# Altium PCB ModuleBackup4.PcbDoc (part 3 of 3)
Units mil, origin at the board's own origin, x right, y up, seen from the top; angles counter-clockwise.
Board outline 59055.12 x 27559.06 mil, 2 copper layers (Top Layer, Bottom Layer); 175 components, 153 nets, 566 pads, 403 vias.
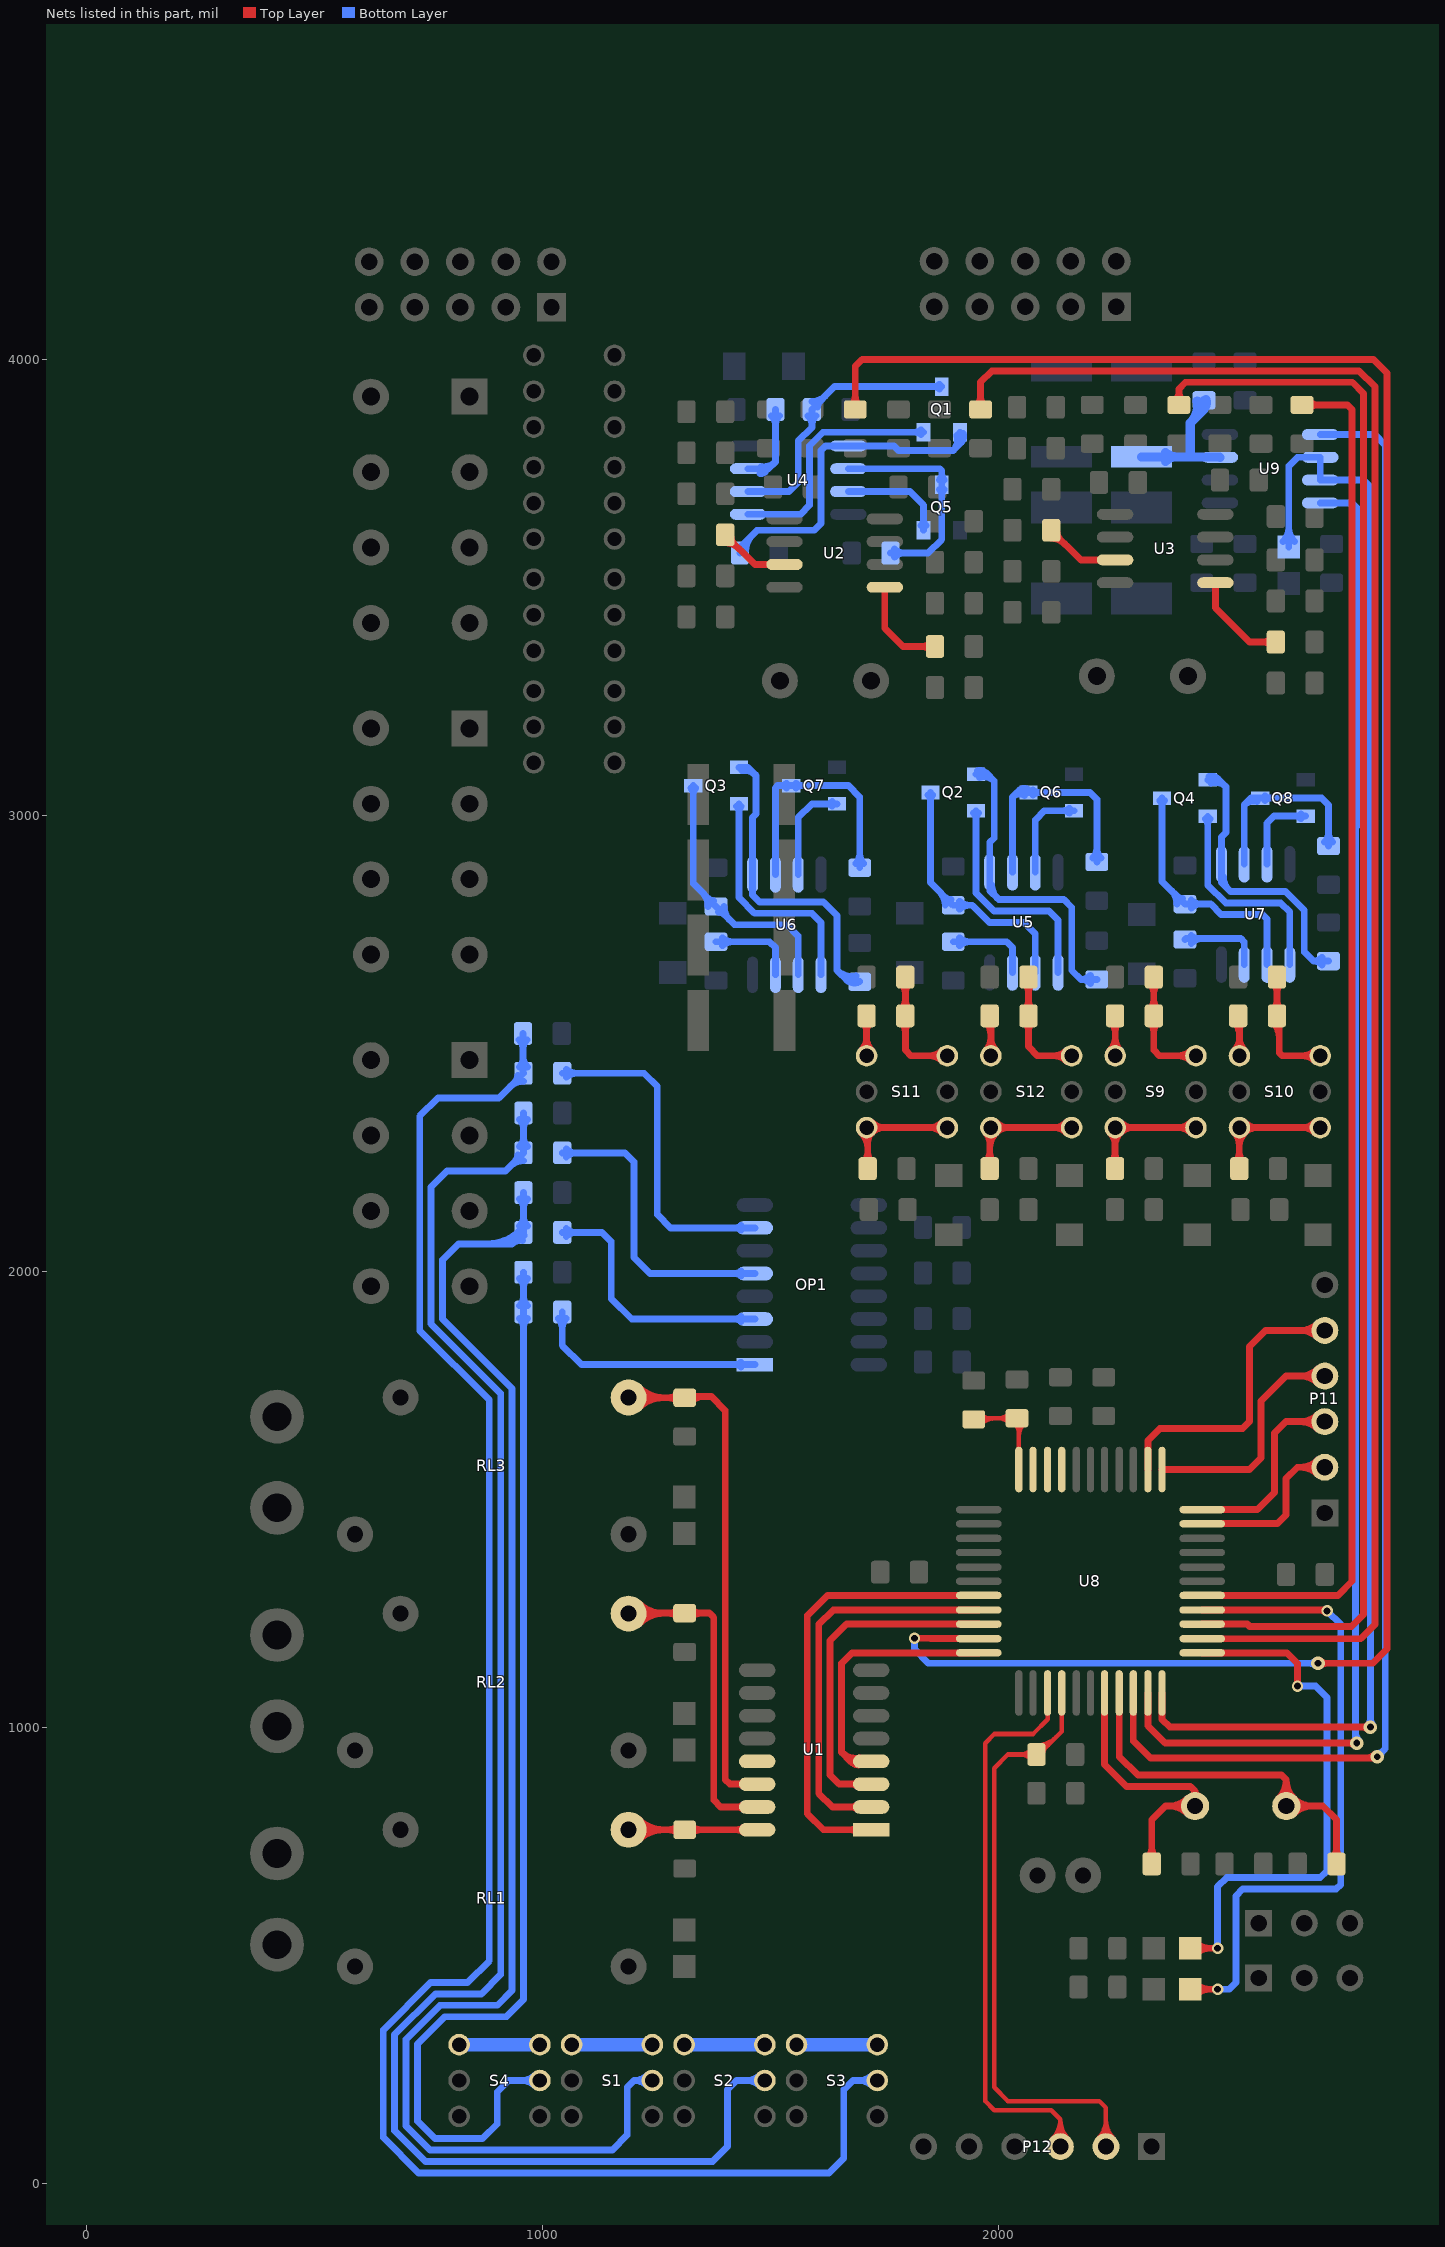
[diagram p3: the nets of this part, all layers, seen from the top]

## Via types
v1: diameter 30, hole 15, Top Layer to Bottom Layer, tented both sides, 305 vias
v2: diameter 25, hole 15, Top Layer to Bottom Layer, tented both sides, 90 vias
v3: diameter 35, hole 25, Top Layer to Bottom Layer, tented both sides, 7 vias
v4: diameter 35, hole 15, Top Layer to Bottom Layer, tented both sides, 1 vias

## Nets (pads, with @x,y where several pads share a name; then routed paths per layer and width w, separated by ;. In a path a pad name is that pad's centre, name@x,y a point inside that pad or via, vN(x,y) a via of type N, cw(c..) or ccw(c..) an arc to the next point about the centre after c; other vN are vias at no path point) (continued)
NetF5_2: F5.2 R71.2 U9.7 | length 440
  Bottom Layer w20: F5.2@2312.9,3786.07 2420,3786.07 ; F5.2@2365.84,3776.44 cw(c2389.09,3753.18) 2389.09,3786.07 cw(c2389.09,3818.96) F5.2@2365.84,3795.7 ; R71.2@2435.16,3908.24 cw(c2381.36,3898.64) 2420,3860 ; 2447.1,3887.1 ccw(c2427.35,3906.85) R71.2@2454.84,3911.76 ; R71.2@2450,3910 2450,3890 2420,3860 ; U9.7@2485,3785 2483.93,3786.07 2420,3786.07 ; 2420,3786.07 2420,3860
NetOP1_1: OP1.1 R31.2 | length 588.9
  Bottom Layer w15: R31.2@1033.66,1896.59 cw(c1012.32,1875.25) 1042.5,1875.25 cw(c1072.68,1875.25) R31.2@1051.34,1896.59 ; R31.2@1042.5,1910.43 1042.5,1837.5 1085,1795 OP1.1@1465,1795 ; OP1.1@1434.7,1789.7 ccw(c1421.89,1776.89) 1421.89,1795 ccw(c1421.89,1813.11) OP1.1@1434.7,1800.3
NetOP1_3: OP1.3 R28.2 | length 650.3
  Bottom Layer w15: R28.2@1042.5,2085 1130,2085 1150,2065 1150,1940 1195,1895 OP1.3@1465,1895 ; R28.2@1051.34,2076.16 cw(c1072.68,2054.82) 1072.68,2085 cw(c1072.68,2115.18) R28.2@1051.34,2093.84 ; OP1.3@1434.7,1889.7 ccw(c1421.89,1876.89) 1421.89,1895 ccw(c1421.89,1913.11) OP1.3@1434.7,1900.3
NetOP1_5: OP1.5 R29.2 | length 730.9
  Bottom Layer w15: R29.2@1042.5,2259.57 1180.43,2259.57 1200,2240 1200,2030 1235,1995 OP1.5@1465,1995 ; R29.2@1051.34,2250.73 cw(c1072.68,2229.4) 1072.68,2259.57 cw(c1072.68,2289.75) R29.2@1051.34,2268.41 ; OP1.5@1434.7,1989.7 ccw(c1421.89,1976.89) 1421.89,1995 ccw(c1421.89,2013.11) OP1.5@1434.7,2000.3
NetOP1_7: OP1.7 R30.2 | length 803.4
  Bottom Layer w15: R30.2@1042.5,2434.15 1221.78,2434.15 1250.93,2405 1250.93,2124.07 1280,2095 OP1.7@1465,2095 ; R30.2@1051.34,2425.31 cw(c1072.68,2403.97) 1072.68,2434.15 cw(c1072.68,2464.32) R30.2@1051.34,2442.98 ; OP1.7@1434.7,2089.7 ccw(c1421.89,2076.89) 1421.89,2095 ccw(c1421.89,2113.11) OP1.7@1434.7,2100.3
NetQ1_1: Q1.1 R40.1 U4.5 | length 839.6
  Bottom Layer w15: R40.1@1432.5,3575 1432.5,3587.5 1470,3625 1595,3625 1610,3640 1610,3800 1620,3810 U4.5@1670,3810 1770,3810 1780,3800 1900,3800 ; R40.1@1445,3580 cw(c1493.28,3580) 1459.14,3614.14 ; Q1.1@1907.86,3832.69 cw(c1877.23,3822.77) 1900,3800 ; Q1.1@1909.7,3829.7 cw(c1896.89,3816.89) 1915,3816.89 cw(c1933.11,3816.89) Q1.1@1920.3,3829.7 ; Q1.1@1915,3840 1915,3815 1900,3800 ; 1917.33,3817.33 ccw(c1903.41,3831.25) Q1.1@1922.14,3837.31
NetQ1_2: Q1.2 U4.1 | length 564.4
  Bottom Layer w15: U4.1@1450,3660 1565,3660 1585,3680 1585,3810.36 1614.64,3840 Q1.2@1835,3840 ; Q1.2@1829.7,3834.7 ccw(c1816.89,3821.89) 1816.89,3840 ccw(c1816.89,3858.11) Q1.2@1829.7,3845.3
NetQ1_3: Q1.3 R50.2 U4.2 | length 719.7
  Bottom Layer w15: U4.2@1450,3710 1540,3710 1560,3730 1560,3820.71 1590,3850.71 R50.2@1590,3890 1640,3940 Q1.3@1875,3940 ; R50.2@1581.16,3876.16 cw(c1559.82,3854.82) 1590,3854.82 cw(c1620.18,3854.82) R50.2@1598.84,3876.16 ; R50.2@1590,3907.5 ccw(c1590,3949.75) 1619.88,3919.88 ; R50.2@1602.5,3895 cw(c1620.6,3895) R50.2@1607.8,3907.8 ; Q1.3@1869.7,3934.7 ccw(c1856.89,3921.89) 1856.89,3940 ccw(c1856.89,3958.11) Q1.3@1869.7,3945.3
NetQ2_1: Q2.1 R41.1 U5.5 | length 850.4
  Bottom Layer w15: Q2.1@1950,3090 1975,3090 1990,3075 ; Q2.1@1952.69,3097.14 cw(c1958.75,3078.41) 1972.67,3092.33 ; Q2.1@1957.31,3082.87 cw(c1967.23,3052.23) 1990,3075 ; Q2.1@1960.3,3084.7 cw(c1973.11,3071.89) 1973.11,3090 cw(c1973.11,3108.11) Q2.1@1960.3,3095.3 ; U5.5@1984.5,2847 ccw(c2024.33,2847) 1996.17,2818.83 ; R41.1@2201.12,2631.2 ccw(c2180,2610.25) 2180,2640 ; R41.1@2201.12,2648.8 cw(c2180,2669.75) 2180,2640 ; R41.1@2215,2640 2180,2640 ; 1990,3075 1990,2950 1980,2940 1980,2835 2000,2815 2142.5,2815 2160,2797.5 2160,2660 2180,2640
NetQ2_2: Q2.2 U5.1 | length 528.5
  Bottom Layer w15: Q2.2@1944.7,3004.7 cw(c1931.89,2991.89) 1950,2991.89 cw(c1968.11,2991.89) Q2.2@1955.3,3004.7 ; Q2.2@1950,3010 1950,2829.64 1980,2799.64 1989.64,2790 2110,2790 2130,2770 U5.1@2130,2655
NetQ2_3: Q2.3 R48.2 U5.2 | length 682.3
  Bottom Layer w15: Q2.3@1844.7,3044.7 cw(c1831.89,3031.89) 1850,3031.89 cw(c1868.11,3031.89) Q2.3@1855.3,3044.7 ; Q2.3@1850,3050 1850,2852.5 R48.2@1900,2802.5 1941.79,2802.5 1979.29,2765 2055,2765 2080,2740 U5.2@2080,2655 ; 1870.13,2832.37 cw(c1840.25,2802.5) R48.2@1882.5,2802.5 ; R48.2@1882.2,2820.3 ccw(c1895,2833.11) R48.2@1895,2815 ; R48.2@1913.84,2793.66 cw(c1935.18,2772.32) 1935.18,2802.5 cw(c1935.18,2832.68) R48.2@1913.84,2811.34
NetQ3_1: Q3.1 R42.1 U6.5 | length 802.8
  Bottom Layer w15: Q3.1@1430,3105 1450,3105 1467.5,3087.5 ; Q3.1@1436.2,3097.6 cw(c1441.99,3062) 1467.5,3087.5 ; 1664.71,2640.29 ccw(c1684.8,2660.38) R42.1@1690.5,2632.55 ; R42.1@1687.49,2647.25 cw(c1678.09,2693.09) 1645,2660 ; R42.1@1695,2635 1670,2635 1645,2660 ; 1467.5,3087.5 1467.5,3002.75 1460,2995.25 1460,2825 1475,2810 1615,2810 1645,2780 1645,2660
NetQ3_2: Q3.2 U6.1 | length 551.4
  Bottom Layer w15: Q3.2@1424.7,3019.7 cw(c1411.89,3006.89) 1430,3006.89 cw(c1448.11,3006.89) Q3.2@1435.3,3019.7 ; Q3.2@1430,3025 1430,2819.64 1464.64,2785 1590,2785 1610,2765 U6.1@1610,2650
NetQ3_3: Q3.3 R49.2 U6.2 | length 700.9
  Bottom Layer w15: Q3.3@1324.7,3059.7 cw(c1311.89,3046.89) 1330,3046.89 cw(c1348.11,3046.89) Q3.3@1335.3,3059.7 ; Q3.3@1330,3065 1330,2850 R49.2@1380,2800 1420,2760 1535,2760 1560,2735 U6.2@1560,2650 ; 1350.13,2829.87 cw(c1320.25,2800) R49.2@1362.5,2800 ; R49.2@1362.2,2817.8 ccw(c1375,2830.61) R49.2@1375,2812.5 ; R49.2@1385,2787.5 cw(c1385,2769.39) R49.2@1397.8,2782.2 ; R49.2@1397.5,2800 ccw(c1439.75,2800) 1409.87,2770.13
NetQ4_1: Q4.1 R46.1 U7.5 | length 779.6
  Bottom Layer w15: Q4.1@2458.21,3077.5 2483.21,3077.5 2498.21,3062.5 ; Q4.1@2460.9,3084.63 cw(c2466.97,3065.91) 2480.88,3079.83 ; Q4.1@2465.52,3070.36 cw(c2475.44,3039.73) 2498.21,3062.5 ; Q4.1@2468.51,3072.2 cw(c2481.32,3059.39) 2481.32,3077.5 cw(c2481.32,3095.61) Q4.1@2468.51,3082.8 ; U7.5@2492.71,2864.5 ccw(c2532.55,2864.5) 2504.38,2836.33 ; R46.1@2708.95,2671.6 ccw(c2690,2654.42) 2690,2680 ; R46.1@2708.95,2688.4 cw(c2690,2705.58) 2690,2680 ; R46.1@2723.21,2680 2690,2680 ; 2498.21,3062.5 2498.21,2962.5 2488.21,2952.5 U7.5@2488.21,2892.5 2488.21,2852.5 2508.21,2832.5 2628.57,2832.5 2670,2791.07 2670,2700 2690,2680
NetQ4_2: Q4.2 U7.1 | length 498.5
  Bottom Layer w15: Q4.2@2452.91,2992.2 cw(c2440.1,2979.39) 2458.21,2979.39 cw(c2476.32,2979.39) Q4.2@2463.51,2992.2 ; Q4.2@2458.21,2997.5 2458.21,2847.14 2497.86,2807.5 2618.21,2807.5 2638.21,2787.5 U7.1@2638.21,2672.5
NetQ4_3: Q4.3 R51.2 U7.2 | length 669.9
  Bottom Layer w15: Q4.3@2352.91,3032.2 cw(c2340.11,3019.39) 2358.21,3019.39 cw(c2376.32,3019.39) Q4.3@2363.51,3032.2 ; Q4.3@2358.21,3037.5 2358.21,2855 R51.2@2408.21,2805 2465,2805 2487.5,2782.5 2578.21,2782.5 2588.21,2772.5 U7.2@2588.21,2672.5 ; 2378.34,2834.87 cw(c2348.46,2805) R51.2@2390.71,2805 ; R51.2@2390.41,2822.8 ccw(c2403.21,2835.61) R51.2@2403.21,2817.5 ; R51.2@2422.05,2796.16 cw(c2443.39,2774.82) 2443.39,2805 cw(c2443.39,2835.18) R51.2@2422.05,2813.84
NetQ5_2: Q5.2 U4.7 | length 260.9
  Bottom Layer w15: U4.7@1670,3710 1805,3710 1835,3680 Q5.2@1835,3625 ; Q5.2@1829.7,3635.3 ccw(c1816.89,3648.11) 1835,3648.11 ccw(c1853.11,3648.11) Q5.2@1840.3,3635.3
NetQ5_3: Q5.3 R43.1 U4.6 | length 586.1
  Bottom Layer w15: U4.6@1670,3760 1870,3760 1875,3755 Q5.3@1875,3725 1875,3610 1875,3605.25 1844.75,3575 R43.1@1762.5,3575 ; R43.1@1771.34,3566.16 cw(c1792.68,3544.82) 1792.68,3575 cw(c1792.68,3605.18) R43.1@1771.34,3583.84 ; Q5.3@1869.7,3714.7 cw(c1856.89,3701.89) 1875,3701.89 cw(c1893.11,3701.89) Q5.3@1880.3,3714.7 ; Q5.3@1869.7,3735.3 ccw(c1856.89,3748.11) 1875,3748.11 ccw(c1893.11,3748.11) Q5.3@1880.3,3735.3
NetQ6_2: Q6.2 U5.7 | length 236.7
  Bottom Layer w15: U5.7@2080,2875 2080,2990 2100,3010 Q6.2@2165,3010 ; Q6.2@2154.7,3004.7 ccw(c2141.89,2991.89) 2141.89,3010 ccw(c2141.89,3028.11) Q6.2@2154.7,3015.3
NetQ6_3: Q6.3 R44.1 U5.6 | length 652.2
  Bottom Layer w15: U5.6@2030,2875 2030,3040 ; 2043.86,3053.86 cw(c2055.52,3042.2) Q6.3@2063.73,3056.51 ; Q6.3@2054.7,3044.7 ccw(c2041.89,3031.89) 2041.89,3050 ccw(c2041.89,3068.11) Q6.3@2054.7,3055.3 ; Q6.3@2056.27,3043.49 ccw(c2045.42,3024.58) 2030,3040 ; Q6.3@2075.3,3044.7 cw(c2088.11,3031.89) 2088.11,3050 cw(c2088.11,3068.11) Q6.3@2075.3,3055.3 ; R44.1@2206.16,2906.34 ccw(c2184.82,2927.68) 2215,2927.68 ccw(c2245.18,2927.68) R44.1@2223.84,2906.34 ; R44.1@2215,2897.5 2215,3035 2200,3050 Q6.3@2065,3050 2040,3050 2030,3040
NetQ7_2: Q7.2 U6.7 | length 250.9
  Bottom Layer w15: U6.7@1560,2870 1560,2995 1590,3025 Q7.2@1645,3025 ; Q7.2@1634.7,3019.7 ccw(c1621.89,3006.89) 1621.89,3025 ccw(c1621.89,3043.11) Q7.2@1634.7,3030.3
NetQ7_3: Q7.3 R45.1 U6.6 | length 646.7
  Bottom Layer w15: U6.6@1510,2870 1510,3060 1515,3065 Q7.3@1545,3065 1670,3065 1695,3040 R45.1@1695,2885 ; Q7.3@1534.7,3059.7 ccw(c1521.89,3046.89) 1521.89,3065 ccw(c1521.89,3083.11) Q7.3@1534.7,3070.3 ; Q7.3@1555.3,3059.7 cw(c1568.11,3046.89) 1568.11,3065 cw(c1568.11,3083.11) Q7.3@1555.3,3070.3 ; R45.1@1686.16,2893.84 ccw(c1664.82,2915.18) 1695,2915.18 ccw(c1725.18,2915.18) R45.1@1703.84,2893.84
NetQ8_2: Q8.2 U7.7 | length 209.2
  Bottom Layer w15: U7.7@2588.21,2892.5 2588.21,2982.5 2603.92,2998.21 Q8.2@2672.5,2998.21 ; 2648.39,2998.21 cw(c2648.39,2977.68) Q8.2@2662.91,2992.2 ; 2651.82,2998.21 ccw(c2651.82,3013.89) Q8.2@2662.91,3002.8
NetQ8_3: Q8.3 R47.1 U7.6 | length 631.5
  Bottom Layer w15: U7.6@2538.21,2892.5 2538.21,3022.5 ; Q8.3@2566.36,3030.23 ccw(c2559.08,3001.63) 2538.21,3022.5 ; Q8.3@2583.51,3032.2 cw(c2596.32,3019.39) 2596.32,3037.5 cw(c2596.32,3055.61) Q8.3@2583.51,3042.8 ; R47.1@2714.37,2941.34 ccw(c2693.03,2962.68) 2723.21,2962.68 ccw(c2753.39,2962.68) R47.1@2732.05,2941.34 ; 2538.21,3022.5 2553.21,3037.5 Q8.3@2573.21,3037.5 2708.21,3037.5 2723.21,3022.5 2723.21,2955 ; R47.1@2716.61,2943.11 ccw(c2709.21,2955) 2723.21,2955 ; R47.1@2716.61,2943.11 ccw(c2709.21,2955) 2723.21,2955 ; R47.1@2716.61,2943.11 ccw(c2709.21,2955) 2723.21,2955 ; 2723.21,2955 ccw(c2737.21,2955) R47.1@2729.81,2943.11 ; 2723.21,2955 ccw(c2737.21,2955) R47.1@2729.81,2943.11 ; 2723.21,2955 ccw(c2737.21,2955) R47.1@2729.81,2943.11 ; 2723.21,2955 R47.1@2723.21,2932.5 2723.21,2955
NetR20_2: R20.2 U2.1 | length 264
  Top Layer w15: U2.1@1750,3500 1750,3410 1790,3370 R20.2@1860,3370 ; R20.2@1851.16,3361.16 ccw(c1829.82,3339.82) 1829.82,3370 ccw(c1829.82,3400.18) R20.2@1851.16,3378.84
NetR21_2: R21.2 U2.7 | length 204.3
  Top Layer w15: R21.2@1400,3597.5 cw(c1400,3555.25) 1429.87,3585.13 ; R21.2@1400,3615 1465,3550 U2.7@1530,3550 ; R21.2@1412.5,3610 ccw(c1430.61,3610) R21.2@1417.8,3597.2
NetR22_2: R22.2 U3.1 | length 266
  Top Layer w15: U3.1@2475,3510 2475,3455 2550,3380 R22.2@2607.5,3380 ; R22.2@2598.66,3371.16 ccw(c2577.32,3349.82) 2577.32,3380 ccw(c2577.32,3410.18) R22.2@2598.66,3388.84
NetR23_2: R23.2 U3.7 | length 214.3
  Top Layer w15: R23.2@2115,3607.5 cw(c2115,3565.25) 2144.87,3595.13 ; R23.2@2115,3625 2180,3560 U3.7@2255,3560 ; R23.2@2127.5,3620 ccw(c2145.61,3620) R23.2@2132.8,3607.2
NetR24_1: R24.1 R28.1 S1.4 | length 3430.7
  Bottom Layer w15: 879.04,2060 ccw(c879.04,2158.47) R28.1@948.66,2088.84 ; 915.25,2060 ccw(c915.25,2122.25) R28.1@959.27,2078.23 ; R28.1@939.7,2067.2 ccw(c926.89,2080) R28.1@945,2080 ; R28.1@948.66,2098.84 ccw(c927.32,2120.18) 957.5,2120.18 ccw(c987.68,2120.18) R28.1@966.34,2098.84 ; R24.1@948.66,2158.45 cw(c927.32,2137.11) 957.5,2137.11 cw(c987.68,2137.11) R24.1@966.34,2158.45 ; R28.1@955.66,2067.64 ccw(c951.66,2040.85) 932.5,2060 ; R24.1@957.5,2172.29 R28.1@957.5,2085 932.5,2060 ; S1.4@1228.85,213.6 ccw(c1201.33,186.08) 1201.33,225 ccw(c1201.33,263.92) S1.4@1228.85,236.4 ; S1.4@1240.25,225 1200,225 1185,210 1185,105 1152.5,72.5 752.86,72.5 700,125.36 700,315.36 774.64,390 900,390 932.5,422.5 932.5,1742.5 780,1895 780,2025 815,2060 932.5,2060
NetR25_1: R25.1 R29.1 S2.4 | length 3799.1
  Bottom Layer w15: 927.63,2229.7 cw(c957.5,2199.82) R29.1@957.5,2242.07 ; R29.1@939.7,2241.77 ccw(c926.89,2254.57) R29.1@945,2254.57 ; R29.1@948.66,2273.41 ccw(c927.32,2294.75) 957.5,2294.75 ccw(c987.68,2294.75) R29.1@966.34,2273.41 ; R25.1@948.66,2333.02 cw(c927.32,2311.68) 957.5,2311.68 cw(c987.68,2311.68) R25.1@966.34,2333.02 ; R25.1@957.5,2346.86 R29.1@957.5,2259.57 917.93,2220 790,2220 755,2185 755,1884.64 907.5,1732.14 907.5,457.5 865,415 764.29,415 675,325.71 675,115 742.5,47.5 1372.5,47.5 1405,80 1405,205 1425,225 S2.4@1486.92,225 ; S2.4@1475.52,213.6 ccw(c1447.99,186.08) 1447.99,225 ccw(c1447.99,263.92) S2.4@1475.52,236.4
NetR26_1: R26.1 R30.1 S3.4 | length 4291.9
  Bottom Layer w15: 927.63,2404.27 cw(c957.5,2374.4) R30.1@957.5,2416.65 ; R30.1@939.7,2416.34 ccw(c926.89,2429.15) R30.1@945,2429.15 ; R26.1@947.66,2507.59 cw(c926.32,2486.25) 956.5,2486.25 cw(c986.68,2486.25) R26.1@965.34,2507.59 ; R30.1@948.66,2447.99 ccw(c929.74,2466.91) 956.5,2466.91 ; 956.5,2471.74 ccw(c990.09,2471.74) R30.1@966.34,2447.99 ; R26.1@956.5,2521.43 956.5,2435.15 R30.1@957.5,2434.15 903.35,2380 770,2380 730,2340 730,1869.64 882.5,1717.14 882.5,487.5 835,440 753.93,440 650,336.07 650,100 727.5,22.5 1627.5,22.5 1660,55 1660,205 1680,225 S3.4@1733.58,225 ; S3.4@1722.18,213.6 ccw(c1694.66,186.08) 1694.66,225 ccw(c1694.66,263.92) S3.4@1722.18,236.4
NetR27_1: R27.1 R31.1 S4.4 | length 2619
  Bottom Layer w15: R31.1@948.66,1896.59 cw(c927.32,1875.25) 957.5,1875.25 cw(c987.68,1875.25) R31.1@966.34,1896.59 ; R31.1@948.66,1924.27 ccw(c927.32,1945.61) 957.5,1945.61 ccw(c987.68,1945.61) R31.1@966.34,1924.27 ; R27.1@948.66,1983.88 cw(c927.32,1962.54) 957.5,1962.54 cw(c987.68,1962.54) R27.1@966.34,1983.88 ; R27.1@957.5,1997.72 R31.1@957.5,1910.43 957.5,402.5 920,365 785,365 725,305 725,135.71 763.21,97.5 867.5,97.5 900,130 900,200 925,225 S4.4@993.58,225 ; S4.4@982.18,213.6 ccw(c954.66,186.08) 954.66,225 ccw(c954.66,263.92) S4.4@982.18,236.4
NetR36_1: R36.1 U4.3 | length 276.2
  Bottom Layer w15: U4.3@1450,3760 1495,3760 1510,3775 ; U4.3@1476.56,3749.6 ccw(c1478.53,3763.8) 1488.66,3753.66 ; U4.3@1478.62,3764.46 ccw(c1483.71,3801.29) 1510,3775 ; R36.1@1501.16,3876.16 cw(c1479.82,3854.82) 1510,3854.82 cw(c1540.18,3854.82) R36.1@1518.84,3876.16 ; R36.1@1510,3890 1510,3775
NetR37_1: R37.1 U5.3 | length 237.6
  Bottom Layer w15: R37.1@1900,2722.5 2017.5,2722.5 2030,2710 U5.3@2030,2655 ; R37.1@1913.84,2713.66 cw(c1935.18,2692.32) 1935.18,2722.5 cw(c1935.18,2752.68) R37.1@1913.84,2731.34
NetR38_1: R38.1 U6.3 | length 242.6
  Bottom Layer w15: R38.1@1380,2722.5 1497.5,2722.5 1510,2710 U6.3@1510,2650 ; R38.1@1393.84,2713.66 cw(c1415.18,2692.32) 1415.18,2722.5 cw(c1415.18,2752.68) R38.1@1393.84,2731.34
NetR39_1: R39.1 U7.3 | length 231.5
  Bottom Layer w15: R39.1@2408.21,2727.5 2410.71,2730 2530.71,2730 2538.21,2722.5 U7.3@2538.21,2672.5 ; R39.1@2422.05,2718.66 cw(c2449.42,2691.29) 2449.42,2730 ; R39.1@2422.05,2736.34 ccw(c2437.35,2751.64) 2437.35,2730
NetR52_1: R52.1 S9.2 | length 196.2
  Top Layer w15: S9.2@2243.82,2483.88 ccw(c2216.3,2511.4) 2255.22,2511.4 ccw(c2294.15,2511.4) S9.2@2266.62,2483.88 ; R52.1@2246.16,2546.16 cw(c2224.28,2524.28) 2255.22,2524.28 ; R52.1@2255,2560 2255.22,2559.78 S9.2@2255.22,2472.48 ; 2255.22,2525.36 cw(c2284.64,2525.36) R52.1@2263.84,2546.16
NetR52_2: R52.2 R54.1 S9.5 | length 460.9
  Top Layer w15: R52.2@2331.16,2546.16 cw(c2309.82,2524.82) 2340,2524.82 cw(c2370.18,2524.82) R52.2@2348.84,2546.16 ; R52.2@2331.16,2573.84 ccw(c2309.82,2595.18) 2340,2595.18 ccw(c2370.18,2595.18) R52.2@2348.84,2573.84 ; R54.1@2331.16,2631.16 cw(c2309.82,2609.82) 2340,2609.82 cw(c2370.18,2609.82) R54.1@2348.84,2631.16 ; R54.1@2340,2645 R52.2@2340,2560 2340,2485 2352.52,2472.48 S9.5@2432.39,2472.48 ; S9.5@2420.99,2461.08 ccw(c2393.47,2433.56) 2393.47,2472.48 ccw(c2393.47,2511.4) S9.5@2420.99,2483.88
NetR53_1: R53.1 S10.2 | length 197.2
  Top Layer w15: R53.1@2516.16,2546.16 cw(c2487.98,2517.98) 2527.84,2517.98 ; S10.2@2516.44,2483.88 ccw(c2488.91,2511.4) 2527.84,2511.4 ccw(c2566.76,2511.4) S10.2@2539.24,2483.88 ; R53.1@2525,2560 2527.84,2557.16 S10.2@2527.84,2472.48 ; 2527.84,2531.67 cw(c2548.33,2531.67) R53.1@2533.84,2546.16
NetR53_2: R53.2 R56.1 S10.5 | length 453.2
  Top Layer w15: R53.2@2601.16,2546.16 cw(c2567.75,2512.75) 2615,2512.75 ; R53.2@2601.16,2573.84 ccw(c2579.82,2595.18) 2610,2595.18 ccw(c2640.18,2595.18) R53.2@2618.84,2573.84 ; R56.1@2601.16,2631.16 cw(c2579.82,2609.82) 2610,2609.82 cw(c2640.18,2609.82) R56.1@2618.84,2631.16 ; R56.1@2610,2645 R53.2@2610,2560 2615,2555 2615,2480 2622.52,2472.48 S10.5@2705,2472.48 ; S10.5@2693.6,2461.08 ccw(c2666.08,2433.56) 2666.08,2472.48 ccw(c2666.08,2511.4) S10.5@2693.6,2483.88
NetR55_1: R55.1 S9.3 S9.6 | length 498.1
  Top Layer w15: S9.3@2243.82,2303.6 cw(c2216.84,2276.62) 2255,2276.62 ; R55.1@2246.16,2238.84 ccw(c2224.82,2260.18) 2255,2260.18 ccw(c2285.18,2260.18) R55.1@2263.84,2238.84 ; R55.1@2255,2225 2255,2314.78 S9.3@2255.22,2315 S9.6@2432.39,2315 ; 2255,2275.54 cw(c2294.68,2275.54) 2266.62,2303.6 cw(c2294.15,2276.08) 2294.15,2315 cw(c2294.15,2353.92) S9.3@2266.62,2326.4 ; S9.6@2420.99,2303.6 ccw(c2393.47,2276.08) 2393.47,2315 ccw(c2393.47,2353.92) S9.6@2420.99,2326.4
NetR57_1: R57.1 S10.3 S10.6 | length 498.1
  Top Layer w15: S10.3@2516.44,2303.6 cw(c2489.72,2276.89) 2527.5,2276.89 ; R57.1@2518.66,2238.84 ccw(c2497.32,2260.18) 2527.5,2260.18 ccw(c2557.68,2260.18) R57.1@2536.34,2238.84 ; R57.1@2527.5,2225 2527.5,2314.66 S10.3@2527.84,2315 S10.6@2705,2315 ; 2527.5,2275.27 cw(c2567.57,2275.27) 2539.24,2303.6 cw(c2566.76,2276.08) 2566.76,2315 cw(c2566.76,2353.92) S10.3@2539.24,2326.4 ; S10.6@2693.6,2303.6 ccw(c2666.08,2276.08) 2666.08,2315 ccw(c2666.08,2353.92) S10.6@2693.6,2326.4
NetR60_1: R60.1 S11.2 | length 196.1
  Top Layer w15: S11.2@1698.6,2483.88 ccw(c1671.08,2511.4) 1710,2511.4 ccw(c1748.92,2511.4) S11.2@1721.4,2483.88 ; R60.1@1701.16,2546.16 cw(c1679.82,2524.82) 1710,2524.82 cw(c1740.18,2524.82) R60.1@1718.84,2546.16 ; S11.2@1710,2472.48 R60.1@1710,2560
NetR60_2: R60.2 R62.1 S11.5 | length 460.7
  Top Layer w15: R60.2@1786.16,2546.16 cw(c1764.82,2524.82) 1795,2524.82 cw(c1825.18,2524.82) R60.2@1803.84,2546.16 ; R60.2@1786.16,2573.84 ccw(c1764.82,2595.18) 1795,2595.18 ccw(c1825.18,2595.18) R60.2@1803.84,2573.84 ; R62.1@1786.16,2631.16 cw(c1764.82,2609.82) 1795,2609.82 cw(c1825.18,2609.82) R62.1@1803.84,2631.16 ; R62.1@1795,2645 R60.2@1795,2560 1795,2485 1807.52,2472.48 S11.5@1887.16,2472.48 ; S11.5@1875.76,2461.08 ccw(c1848.24,2433.56) 1848.24,2472.48 ccw(c1848.24,2511.4) S11.5@1875.76,2483.88
NetR61_1: R61.1 S12.2 | length 197.1
  Top Layer w15: R61.1@1971.16,2546.16 cw(c1943.52,2518.52) 1982.61,2518.52 ; S12.2@1971.21,2483.88 ccw(c1943.69,2511.4) 1982.61,2511.4 ccw(c2021.53,2511.4) S12.2@1994.01,2483.88 ; R61.1@1980,2560 1982.61,2557.39 S12.2@1982.61,2472.48 ; 1982.61,2531.13 cw(c2003.87,2531.13) R61.1@1988.84,2546.16
NetR61_2: R61.2 R64.1 S12.5 | length 458.9
  Top Layer w15: R61.2@2056.16,2546.16 cw(c2034.82,2524.82) 2065,2524.82 cw(c2095.18,2524.82) R61.2@2073.84,2546.16 ; R61.2@2056.16,2573.84 ccw(c2034.82,2595.18) 2065,2595.18 ccw(c2095.18,2595.18) R61.2@2073.84,2573.84 ; R64.1@2056.16,2631.16 cw(c2034.82,2609.82) 2065,2609.82 cw(c2095.18,2609.82) R64.1@2073.84,2631.16 ; R64.1@2065,2645 R61.2@2065,2560 2065,2492.48 2085,2472.48 S12.5@2159.78,2472.48 ; S12.5@2148.38,2461.08 ccw(c2120.85,2433.56) 2120.85,2472.48 ccw(c2120.85,2511.4) S12.5@2148.38,2483.88
NetR63_1: R63.1 S11.3 S11.6 | length 499
  Top Layer w15: S11.3@1698.6,2303.6 cw(c1665.04,2270.04) 1712.5,2270.04 ; R63.1@1703.66,2238.84 ccw(c1682.32,2260.18) 1712.5,2260.18 ccw(c1742.68,2260.18) R63.1@1721.34,2238.84 ; R63.1@1712.5,2225 1712.5,2312.5 S11.3@1710,2315 S11.6@1887.16,2315 ; 1712.5,2282.11 cw(c1742.89,2282.11) 1721.4,2303.6 cw(c1748.92,2276.08) 1748.92,2315 cw(c1748.92,2353.92) S11.3@1721.4,2326.4 ; S11.6@1875.76,2303.6 ccw(c1848.24,2276.08) 1848.24,2315 ccw(c1848.24,2353.92) S11.6@1875.76,2326.4
NetR65_1: R65.1 S12.3 S12.6 | length 499.1
  Top Layer w15: R65.1@1971.16,2238.84 ccw(c1949.82,2260.18) 1980,2260.18 ccw(c2010.18,2260.18) R65.1@1988.84,2238.84 ; S12.3@1971.21,2303.6 cw(c1950,2282.38) 1980,2282.38 ; R65.1@1980,2225 1980,2312.39 S12.3@1982.61,2315 S12.6@2159.78,2315 ; 1980,2269.77 cw(c2027.84,2269.77) 1994.01,2303.6 cw(c2021.53,2276.08) 2021.53,2315 cw(c2021.53,2353.92) S12.3@1994.01,2326.4 ; S12.6@2148.38,2303.6 ccw(c2120.85,2276.08) 2120.85,2315 ccw(c2120.85,2353.92) S12.6@2148.38,2326.4
NetS1_2: S1.2 S1.5 | length 177.2
  Bottom Layer w30: S1.2@1063.08,303.74 S1.5@1240.25,303.74
NetS2_2: S2.2 S2.5 | length 177.2
  Bottom Layer w30: S2.2@1309.75,303.74 S2.5@1486.92,303.74
NetS3_2: S3.2 S3.5 | length 177.2
  Bottom Layer w30: S3.2@1556.42,303.74 S3.5@1733.58,303.74
NetS4_2: S4.2 S4.5 | length 177.2
  Bottom Layer w30: S4.2@816.42,303.74 S4.5@993.58,303.74
NOUSE1: D7.2 U8.12 | length 1239.7
  Top Layer w15: D7.2@2420,515 v2(2480,515) ; D7.2@2432.37,502.63 cw(c2462.25,472.75) 2462.25,515 cw(c2462.25,557.25) D7.2@2432.37,527.37 ; U8.12@2446,1163 2632,1163 2655,1140 v2(2655,1090)
  Bottom Layer w15: v2(2480,515) 2480,650 2500,670 2705,670 2720,685 2720,1065 2695,1090 v2(2655,1090)
NOUSE2: D8.2 U8.15 | length 1508.9
  Top Layer w15: D8.2@2420,425 v2(2480,425) ; D8.2@2432.37,412.63 cw(c2462.25,382.75) 2462.25,425 cw(c2462.25,467.25) D8.2@2432.37,437.37 ; U8.15@2446,1257 2718,1257 cw(c2718,1255) v2(2720,1255) ; 2703.1,1257 cw(c2703.1,1238.1) v2@2716.46,1251.46
  Bottom Layer w15: v2(2480,425) 2505,425 2520,440 2520,630 2535,645 2740,645 2750,655 2750,1225 v2(2720,1255) ; v2@2720,1260 v2@2722.5,1257.5
NOUSE3: U8.32
NOUSE4: U8.31
NOUSE5: U8.30
OUT1: R5.2 RL1.2 U1.16 | length 590.1
  Top Layer w15: RL1.2@1188,775 R5.2@1311,775 U1.16@1470,775 ; RL1.2@1199.93,763.07 cw(c1228.73,734.27) 1228.73,775 cw(c1228.73,815.73) RL1.2@1199.93,786.93 ; RL1.2@1210.54,752.46 cw(c1264.94,698.06) 1264.94,775 cw(c1264.94,851.94) RL1.2@1210.54,797.54 ; R5.2@1297.16,766.16 ccw(c1275.82,744.82) 1275.82,775 ccw(c1275.82,805.18) R5.2@1297.16,783.84 ; R5.2@1324.84,766.16 cw(c1346.18,744.82) 1346.18,775 cw(c1346.18,805.18) R5.2@1324.84,783.84 ; U1.16@1439.7,769.7 ccw(c1426.89,756.89) 1426.89,775 ccw(c1426.89,793.11) U1.16@1439.7,780.3
OUT2: R6.2 RL2.2 U1.15 | length 971.5
  Top Layer w15: RL2.2@1188,1249 1189,1250 R6.2@1311,1250 1365,1250 1375,1240 1375,840 1390,825 U1.15@1470,825 ; RL2.2@1199.93,1237.07 cw(c1231.14,1205.86) 1231.14,1250 ; RL2.2@1210.54,1226.46 cw(c1267.36,1169.64) 1267.36,1250 ; RL2.2@1210.54,1271.54 ccw(c1262.53,1323.53) 1262.53,1250 ; R6.2@1297.16,1241.16 ccw(c1275.82,1219.82) 1275.82,1250 ccw(c1275.82,1280.18) R6.2@1297.16,1258.84 ; R6.2@1324.84,1241.16 cw(c1346.18,1219.82) 1346.18,1250 cw(c1346.18,1280.18) R6.2@1324.84,1258.84 ; U1.15@1439.7,819.7 ccw(c1426.89,806.89) 1426.89,825 ccw(c1426.89,843.11) U1.15@1439.7,830.3
OUT3: R7.2 RL3.2 U1.14 | length 1417.9
  Top Layer w15: RL3.2@1188,1723 1188.5,1722.5 R7.2@1311,1722.5 1313.5,1725 1370,1725 1400,1695 1400,885 1410,875 U1.14@1470,875 ; RL3.2@1199.93,1711.07 cw(c1227.52,1683.48) 1227.52,1722.5 ; RL3.2@1199.93,1734.93 ccw(c1229.93,1764.93) 1229.93,1722.5 ; RL3.2@1210.54,1700.46 cw(c1263.73,1647.27) 1263.73,1722.5 ; RL3.2@1210.54,1745.54 ccw(c1266.15,1801.15) 1266.15,1722.5 ; R7.2@1297.16,1713.66 ccw(c1275.82,1692.32) 1275.82,1722.5 ccw(c1275.82,1752.68) R7.2@1297.16,1731.34 ; R7.2@1324.84,1713.66 cw(c1352.21,1686.29) 1352.21,1725 ; R7.2@1324.84,1731.34 ccw(c1340.14,1746.64) 1340.14,1725 ; U1.14@1439.7,869.7 ccw(c1426.89,856.89) 1426.89,875 ccw(c1426.89,893.11) U1.14@1439.7,880.3
OUT4: U1.13
OUTPUT1: U1.1 U8.40 | length 1012.2
  Top Layer w15: U1.1@1689.7,769.7 ccw(c1676.89,756.89) 1676.89,775 ccw(c1676.89,793.11) U1.1@1689.7,780.3 ; U1.1@1720,775 1615,775 1580,810 1580,1245 1624,1289 U8.40@1956,1289
OUTPUT2: U1.2 U8.41 | length 890.1
  Top Layer w15: U1.2@1689.7,819.7 ccw(c1676.89,806.89) 1676.89,825 ccw(c1676.89,843.11) U1.2@1689.7,830.3 ; U1.2@1720,825 1635,825 1605,855 1605,1225 1637,1257 U8.41@1956,1257
OUTPUT3: U1.3 U8.42 | length 762.4
  Top Layer w15: U1.3@1689.7,869.7 ccw(c1676.89,856.89) 1676.89,875 ccw(c1676.89,893.11) U1.3@1689.7,880.3 ; U1.3@1720,875 1650,875 1630,895 1630,1189.64 1666.36,1226 U8.42@1956,1226
OUTPUT4: U1.4 U8.44 | length 671.9
  Top Layer w15: 1675.79,924.21 ccw(c1692.47,940.88) U1.4@1696.18,917.59 ; U1.4@1689.7,919.7 ccw(c1676.89,906.89) 1676.89,925 ccw(c1676.89,943.11) U1.4@1689.7,930.3 ; U1.4@1693.82,932.41 cw(c1686.75,976.75) 1655,945 ; U1.4@1720,925 1675,925 1655,945 ; U8.44@1956,1163 1678,1163 1655,1140 1655,945
PWM1: R3.2 U8.16 | length 3073.4
  Top Layer w15: U8.16@2446,1289 2744,1289 2775,1320 2775,3890 2765,3900 R3.2@2665,3900 ; R3.2@2678.84,3891.16 cw(c2700.18,3869.82) 2700.18,3900 cw(c2700.18,3930.18) R3.2@2678.84,3908.84
PWM2: R4.2 U8.14 | length 3548.5
  Top Layer w15: R4.2@2386.16,3908.84 ccw(c2364.82,3930.18) 2395,3930.18 ccw(c2425.18,3930.18) R4.2@2403.84,3908.84 ; R4.2@2395,3900 2395,3935 2409.64,3949.64 2775.36,3949.64 2800,3925 2800,1247 2774,1221 2550,1221 2545,1226 U8.14@2446,1226
PWM3: R1.2 U8.13 | length 4103.8
  Top Layer w15: R1.2@1951.16,3898.84 ccw(c1929.82,3920.18) 1960,3920.18 ccw(c1990.18,3920.18) R1.2@1968.84,3898.84 ; R1.2@1960,3890 1960,3950 1984.64,3974.64 2790.36,3974.64 2825,3940 2825,1225 2794,1194 U8.13@2446,1194
PWM4: R2.2 U8.43 | length 5515.1
  Top Layer w15: R2.2@1676.16,3898.84 ccw(c1654.82,3920.18) 1685,3920.18 ccw(c1715.18,3920.18) R2.2@1693.84,3898.84 ; R2.2@1685,3890 1685,3984.29 1700.36,3999.64 2821.87,3999.64 2851.52,3970 2851.52,1171.52 2820,1140 v1(2700,1140) ; v2(1815,1195) 1955,1195 U8.43@1956,1194 1851,1194 ; v1@2705.3,1134.7 cw(c2718.11,1121.89) 2718.11,1140 cw(c2718.11,1158.11) v1@2705.3,1145.3
  Bottom Layer w15: v2(1815,1195) 1815,1170.96 1845.96,1140 v1(2700,1140) ; v1@2694.7,1134.7 ccw(c2681.89,1121.89) 2681.89,1140 ccw(c2681.89,1158.11) v1@2694.7,1145.3
R/TXD: D4.1 U8.11 U9.2 U9.3 | length 3786.3
  Top Layer w15: U8.11@2358,1075 2358,1017 2375,1000 v1(2815,1000) ; v1@2809.7,994.7 ccw(c2796.89,981.89) 2796.89,1000 ccw(c2796.89,1018.11) v1@2809.7,1005.3
  Bottom Layer w15: D4.1@2623.63,3600.48 ccw(c2593.75,3630.35) 2636,3630.35 ccw(c2678.25,3630.35) D4.1@2648.37,3600.48 ; D4.1@2636,3588.11 2636,3766 2655,3785 U9.2@2705,3785 U9.3@2705,3735 2800,3735 2815,3720 v1(2815,1000) ; v1@2809.7,1005.3 ccw(c2796.89,1018.11) 2815,1018.11 ccw(c2833.11,1018.11) v1@2820.3,1005.3
RESET: P12.2 R59.1 U8.4 | length 1599.8
  Top Layer w10: R59.1@2071.89,929.39 ccw(c2046.29,903.79) 2046.29,940 ccw(c2046.29,976.21) R59.1@2071.89,950.61 ; R59.1@2082.5,940 2020,940 1990,910 1990,210 2020,180 2220,180 2235,165 P12.2@2235,80 ; R59.1@2082.5,950 ccw(c2082.5,986.21) 2108.11,960.61 ; R59.1@2082.5,960 ccw(c2082.5,1020.36) 2125.18,977.68 ; R59.1@2087.5,940 2138,990.5 U8.4@2138,1075 ; R59.1@2097.5,945 cw(c2109.57,945) R59.1@2101.04,953.54 ; P12.2@2217.66,97.34 ccw(c2175.79,139.21) 2235,139.21 ccw(c2294.21,139.21) P12.2@2252.34,97.34 ; P12.2@2224.73,90.27 ccw(c2199.93,115.07) 2235,115.07 ccw(c2270.07,115.07) P12.2@2245.27,90.27
RXD: U8.9 U9.1 | length 3742.5
  Top Layer w15: U8.9@2295,1075 2295,970 2332.5,932.5 2827.5,932.5 v1(2830,935) ; 2805.86,932.5 ccw(c2805.86,959.14) v1@2824.7,940.3
  Bottom Layer w15: U9.1@2705,3835 2825,3835 2847.5,3812.5 2847.5,952.5 v1(2830,935) ; v1@2830,942.5 ccw(c2830,960.61) 2842.8,947.8 ccw(c2855.61,935) v1@2837.5,935
SCK: P12.3 U8.3 | length 1391.2
  Top Layer w10: U8.3@2107,1075 2107,1017 2075,985 1990,985 1970,965 1970,180 1990,160 2115,160 2135,140 P12.3@2135,80 ; P12.3@2117.66,97.34 ccw(c2075.79,139.21) 2135,139.21 ccw(c2194.21,139.21) P12.3@2152.34,97.34 ; P12.3@2124.73,90.27 ccw(c2099.93,115.07) 2135,115.07 ccw(c2170.07,115.07) P12.3@2145.27,90.27
TCK: P11.2 U8.21 | length 450.8
  Top Layer w15: U8.21@2446,1446 2446.5,1446.5 2611.5,1446.5 2630,1465 2630,1545 2655,1570 P11.2@2715,1570 ; P11.2@2699.42,1554.42 ccw(c2661.82,1516.82) 2661.82,1570 ccw(c2661.82,1623.18) P11.2@2699.42,1585.58
TDI: P11.5 U8.24 | length 732
  Top Layer w15: U8.24@2327,1565 2327,1628.96 2353.04,1655 2535,1655 2550,1670 2550,1835 2585,1870 P11.5@2715,1870 ; P11.5@2699.42,1854.42 ccw(c2661.82,1816.82) 2661.82,1870 ccw(c2661.82,1923.18) P11.5@2699.42,1885.58
TDO: P11.4 U8.23 | length 598.7
  Top Layer w15: U8.23@2358,1565 2550,1565 2575,1590 2575,1715 2630,1770 P11.4@2715,1770 ; P11.4@2699.42,1754.42 ccw(c2661.82,1716.82) 2661.82,1770 ccw(c2661.82,1823.18) P11.4@2699.42,1785.58
TMS: P11.3 U8.22 | length 508.6
  Top Layer w15: U8.22@2446,1477 2567,1477 2605,1515 2605,1645 2630,1670 P11.3@2715,1670 ; P11.3@2699.42,1654.42 ccw(c2661.82,1616.82) 2661.82,1670 ccw(c2661.82,1723.18) P11.3@2699.42,1685.58
TXD: U8.10 U9.4 | length 3476
  Top Layer w15: U8.10@2327,1075 2327,1003 2365,965 v1(2785,965) ; v1@2779.7,959.7 ccw(c2766.89,946.89) 2766.89,965 ccw(c2766.89,983.11) v1@2779.7,970.3
  Bottom Layer w15: U9.4@2705,3685 2775,3685 2785,3675 2785,2975 ; 2782.5,989.14 ccw(c2809.14,989.14) v1@2790.3,970.3 ; v1(2785,965) 2782.5,967.5 2782.5,3057.14 2785,3059.65
XTAL1: C28.1 U8.8 Y1.1 | length 1029.5
  Top Layer w15: U8.8@2264,1075 2264,936 2305,895 2620,895 2630.5,884.5 Y1.1@2630.5,827 2710.5,827 2740.5,797 C28.1@2740.5,699.91 ; Y1.1@2613.88,843.62 ccw(c2573.77,883.73) 2630.5,883.73 ccw(c2687.23,883.73) 2647.12,843.62 ccw(c2687.23,883.73) 2687.23,827 ccw(c2687.23,770.27) Y1.1@2647.12,810.38 ; C28.1@2731.66,713.74 ccw(c2710.32,735.08) 2740.5,735.08 ccw(c2770.68,735.08) C28.1@2749.34,713.74
XTAL2: C27.1 U8.7 Y1.2 | length 780
  Top Layer w15: U8.7@2232,1075 2232,918 2280,870 2420,870 2430.5,859.5 ; C27.1@2326.66,713.84 ccw(c2305.32,735.18) 2335.5,735.18 ccw(c2365.68,735.18) C27.1@2344.34,713.84 ; C27.1@2335.5,700 2335.5,797 2365.5,827 Y1.2@2430.5,827 2430.5,859.5 ; Y1.2@2413.88,810.38 ccw(c2373.77,770.27) 2373.77,827 ccw(c2373.77,883.73) Y1.2@2413.88,843.62 ; Y1.2@2423.14,849.32 ccw(c2419.78,859.5) 2430.5,859.5 ; Y1.2@2437.86,849.32 cw(c2441.22,859.5) 2430.5,859.5
模块选择: R66.1 R67.2 U8.33 | length 380.8
  Top Layer w10: R67.2@1945,1675 1947.5,1677.5 R66.1@2040,1677.5 2044,1673.5 U8.33@2044,1565 ; R67.2@1960.61,1664.39 cw(c1992.25,1632.75) 1992.25,1677.5 ; R67.2@1960.61,1685.61 ccw(c1980.18,1705.18) 1980.18,1677.5 ; R66.1@2024.39,1666.89 ccw(c1998.79,1641.29) 1998.79,1677.5 ccw(c1998.79,1713.71) R66.1@2024.39,1688.11 ; R66.1@2034.39,1666.89 cw(c2011.2,1643.7) 2044,1643.7 ; 2044,1638.87 cw(c2083.63,1638.87) R66.1@2055.61,1666.89
pads on no net: P13.9 P13.10 P14.9 P14.10 U1.5 U1.6 U1.7 U1.10 U1.11 U1.12 U2.4 U3.4

## Polygon pours and split planes (outlines as drawn)
GND on Bottom Layer "GND" (solid, remove dead copper, shelved, pour order 4): 365,4615 365,4095 cw(c265,4095) 265,3995 110,3995 ccw(c110,3915) 30,3915 30,3850 30,1910 ccw(c130,1910) 130,1810 745,1810 cw(c745,1745) 810,1745 810,1705 810,370 cw(c780,370) 780,340 460,340 ccw(c460,240) 360,240 360,180 360,110 ccw(c460,110) 460,10 1760,10 2365,10 ccw(c2365,110) 2465,110 2465,225 2465,295 cw(c2565,295) 2565,395 2750,395 2765,395 ccw(c2765,495) 2865,495 2865,500 2865,3960 ccw(c2805,3960) 2805,4020 2590,4020 cw(c2590,4120) 2490,4120 2490,4230 2490,4530 ccw(c2390,4530) 2390,4630 400,4630 390,4630 ccw(c390,4605) 365,4605
GND on Top Layer "GND" (solid, remove dead copper, shelved, pour order 4): 365,4615 365,4095 cw(c265,4095) 265,3995 110,3995 ccw(c110,3915) 30,3915 30,3850 30,1910 ccw(c130,1910) 130,1810 745,1810 cw(c745,1745) 810,1745 810,1705 810,370 cw(c780,370) 780,340 460,340 ccw(c460,240) 360,240 360,180 360,110 ccw(c460,110) 460,10 1760,10 2365,10 ccw(c2365,110) 2465,110 2465,225 2465,295 cw(c2565,295) 2565,395 2750,395 2765,395 ccw(c2765,495) 2865,495 2865,500 2865,3960 ccw(c2805,3960) 2805,4020 2590,4020 cw(c2590,4120) 2490,4120 2490,4230 2490,4530 ccw(c2390,4530) 2390,4630 400,4630 390,4630 ccw(c390,4605) 365,4605
GND on Top Layer "GND" (solid, remove dead copper, pour order 13): 390,4605 390,4100 cw(c290,4100) 290,4000 170,4000 130,4000 ccw(c130,3900) 30,3900 30,3815 30,1950 ccw(c130,1950) 130,1850 620,1850 765,1850 cw(c765,1750) 865,1750 865,1650 865,535 cw(c765,535) 765,435 740,435 ccw(c740,335) 640,335 640,240 640,110 ccw(c740,110) 740,10 820,10 2450,10 ccw(c2450,110) 2550,110 2550,125 2550,325 cw(c2610,325) 2610,385 2820,385 ccw(c2820,430) 2865,430 2865,3920 ccw(c2765,3920) 2765,4020 2580,4020 cw(c2580,4060) 2540,4060 2540,4215 2540,4530 ccw(c2440,4530) 2440,4630 425,4630 ccw(c425,4595) 390,4595 390,4590
GND on Bottom Layer "GND" (solid, remove dead copper, pour order 13): 390,4605 390,4100 cw(c290,4100) 290,4000 170,4000 130,4000 ccw(c130,3900) 30,3900 30,3815 30,1950 ccw(c130,1950) 130,1850 620,1850 765,1850 cw(c765,1750) 865,1750 865,1650 865,535 cw(c765,535) 765,435 740,435 ccw(c740,335) 640,335 640,240 640,110 ccw(c740,110) 740,10 820,10 2450,10 ccw(c2450,110) 2550,110 2550,125 2550,325 cw(c2610,325) 2610,385 2820,385 ccw(c2820,430) 2865,430 2865,3920 ccw(c2765,3920) 2765,4020 2580,4020 cw(c2580,4060) 2540,4060 2540,4215 2540,4530 ccw(c2440,4530) 2440,4630 425,4630 ccw(c425,4595) 390,4595 390,4590

## Keep-outs
Keep-Out Layer:
  lines w10: 0,118.11 ccw(c118.11,118.11) 118.11,0 ; 0,4527.56 cw(c118.11,4527.56) 118.11,4645.67 ; 255.51,349.58 ccw(c177.17,236.22) 258.84,347.2 ; 255.51,4286.59 ccw(c177.17,4173.23) 258.84,4284.21 ; 1515.34,2436.36 ccw(c1437,2323) 1518.68,2433.98 ; 2755.91,0 ccw(c2755.91,118.11) 2874.02,118.11 ; 2755.91,4645.67 cw(c2755.91,4527.56) 2874.02,4527.56 ; 2775.19,349.58 ccw(c2696.85,236.22) 2778.53,347.2 ; 2775.19,4286.59 ccw(c2696.85,4173.23) 2778.53,4284.21 ; 0,0 2874.02,0 ; 0,0 0,4645.67 ; 0,0 0,4645.67 ; 0,0 2874.02,0 ; 0,4645.67 2874.02,4645.67 ; 0,4645.67 2874.02,4645.67 ; 2874.02,0 2874.02,4645.67 ; 2874.02,0 2874.02,4645.67
Mechanical 1:
  lines w10: 1469.53,2370.07 ccw(c1437,2323) 1470.92,2369.08

## Silkscreen, mask and mechanical layers (free items; w line width, h text height)
Top Overlay:
  lines w10: 1205,3975 1430,3975 1485,4030 ; 1212.86,4502 1664.46,4502 ; 1212.86,4627 1664.46,4627 ; 1440,4030 1485,4030 ; 1485,3990 1485,4030 ; 1620,1710 1885,1710 ; 1670,2915 1690,2935 ; 1690,2700 1690,2935 ; 1710,2915 1690,2935 ; 1865,1690 1885,1710 ; 1865,1730 1885,1710
  text "5V" at 1528.8,4572.88 h50
  text "NUSE" at 1230,4572 h50
  text "485A" at 1336.25,4572 h50
  text "GND" at 1445,4572 h50
  text "12V" at 1590,4572 h50
  text "5V" at 1528.8,4527.88 h50
  text "NUSE" at 1230,4527 h50
  text "485B" at 1336.25,4527 h50
  text "GND" at 1445,4527 h50
  text "12V" at 1590,4527 h50
  text "弹起为电压输出" at 1520,4454.93 h80 r270
  text "按下为电流输出" at 1590,4455 h80 r270
  text "AO1" at 380,3920 h80
  text "电压电流输出" at 45,3840 h80 r270
  text "AO2" at 380,3748.33 h80
  text "AO3" at 380,3576.67 h80
  text "AO4" at 380,3405 h80
  text "电压电流输入" at 65,3070 h80 r270
  text "按下为电流输入" at 1665,3035 h80
  text "弹起为电压输入" at 1665.07,2965 h80
  text "数字量输入" at 45.59,2350 h80 r270
  text "模块选择电阻" at 1625,1730 h50
  text "GND" at 2775,630 h50
  text "VCC" at 2785,360 h50
  text "GND" at 1790,140 h50
  text "MOSI" at 1885,140 h50
  text "MISO" at 1990,140 h50
  text "SCK" at 2105,140 h50
  text "RES" at 2205,140 h50
  text "VCC" at 2300,140 h50
Bottom Overlay:
  text "CL_MODEULE_V1.0" at 2395,930 h80
  text "GND" at 1870,140 h50
  text "MOSI" at 1975,140 h50
  text "MISO" at 2080,140 h50
  text "SCK" at 2165,140 h50
  text "RES" at 2260,140 h50
  text "VCC" at 2370,140 h50
Mechanical 1:
  lines w10: 0,118.11 ccw(c118.11,118.11) 118.11,0 ; 0,4527.56 cw(c118.11,4527.56) 118.11,4645.67 ; 210.74,284.8 ccw(c177.17,236.22) 212.17,283.78 ; 210.74,4221.81 ccw(c177.17,4173.23) 212.17,4220.79 ; 2730.43,284.8 ccw(c2696.85,236.22) 2731.86,283.78 ; 2730.43,4221.81 ccw(c2696.85,4173.23) 2731.86,4220.79 ; 2755.91,0 ccw(c2755.91,118.11) 2874.02,118.11 ; 2755.91,4645.67 cw(c2755.91,4527.56) 2874.02,4527.56 ; 0,0 2874.02,0 ; 0,0 0,4645.67 ; 0,0 0,4645.67 ; 0,0 2874.02,0 ; 0,4645.67 2874.02,4645.67 ; 0,4645.67 2874.02,4645.67 ; 2874.02,0 2874.02,4645.67 ; 2874.02,0 2874.02,4645.67

## Text inside footprints (layer, text, board x,y; h text height)
C15: Top Overlay "+" at 1501.89,3334.37 h50
C16: Top Overlay "+" at 2196.89,3344.37 h50
C36: Top Overlay "+" at 2195,615 h50 r180